# Altium PCB Enigma Rev A.PcbDoc (part 6 of 7)
Units mm, origin at the board's own origin, x right, y up, seen from the top; angles counter-clockwise.
Board outline 239.08 x 138 mm, 6 copper layers (Component Side, Ground Plane (GND), Inner Layer 1, Inner Layer 2, Power Plane (VCC), Solder Side), stack 1.297 mm thick; 563 components, 654 nets, 2409 pads, 1102 vias.
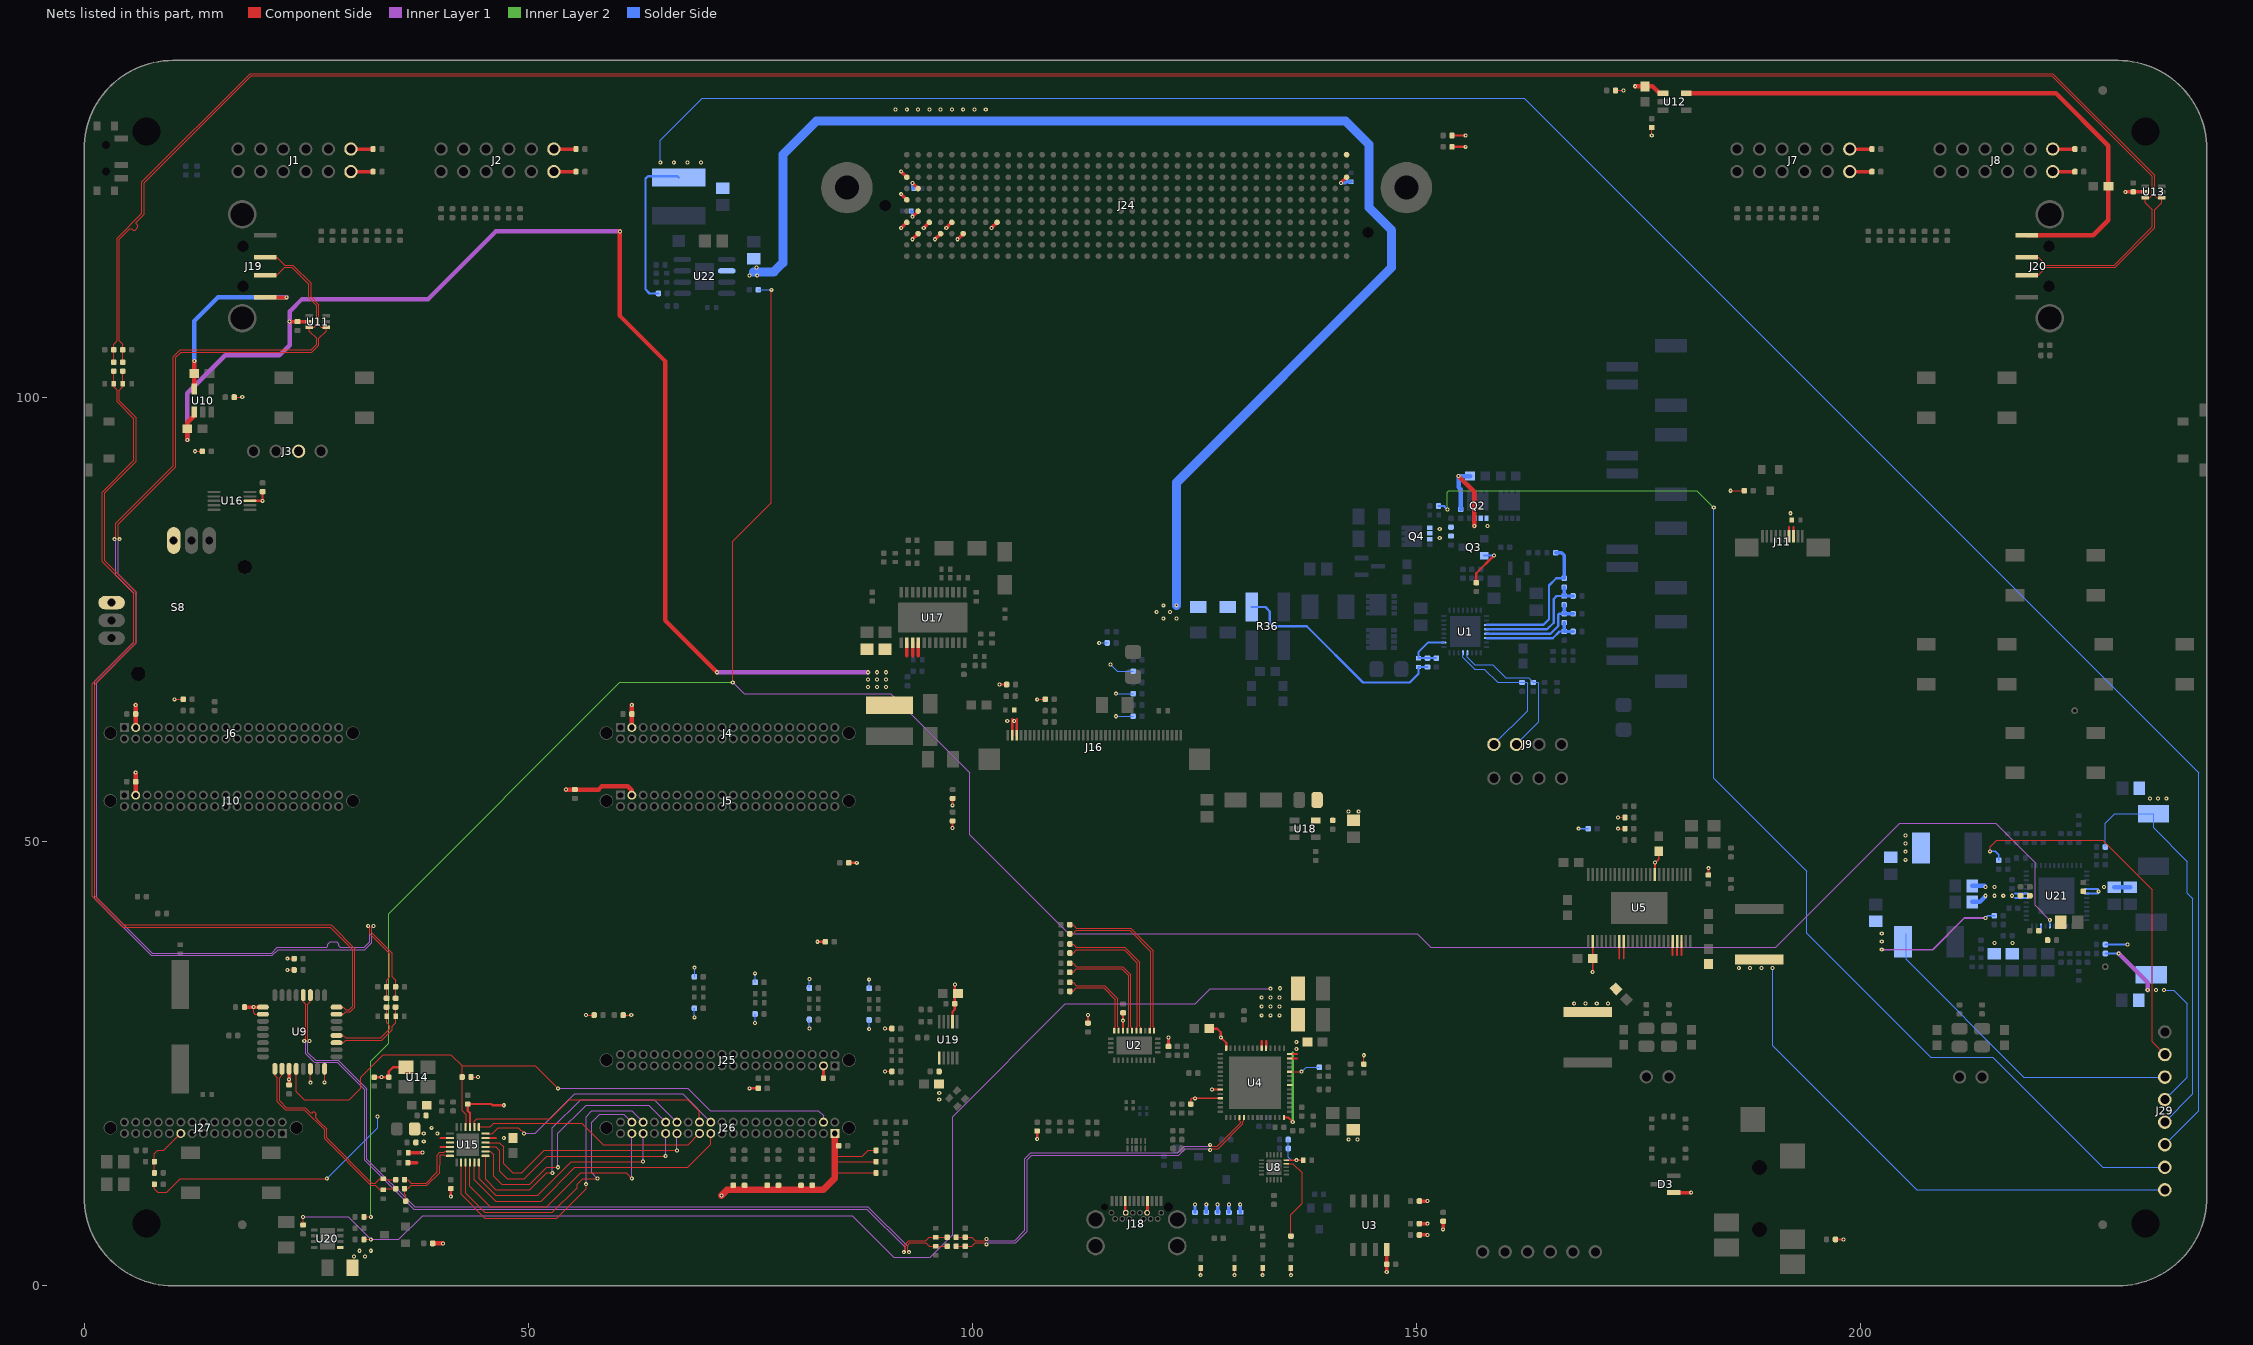
[diagram p10: the nets of this part, all layers, seen from the top]

## Via types
v1: diameter 0.457, hole 0.203, Component Side to Solder Side, tented top, 1032 vias
v2: diameter 0.5, hole 0.2, Component Side to Solder Side, 55 vias
v3: diameter 0.457, hole 0.203, Component Side to Solder Side, 9 vias
v4: diameter 0.5, hole 0.2, Component Side to Solder Side, tented both sides, 6 vias

## Nets (pads, with @x,y where several pads share a name; then routed paths per layer and width w, separated by ;. In a path a pad name is that pad's centre, name@x,y a point inside that pad or via, vN(x,y) a via of type N, cw(c..) or ccw(c..) an arc to the next point about the centre after c; other vN are vias at no path point) (continued)
TS3: J9.3 R40.1 U1.12 | length 17.7
  Solder Side w0.127: U1.12@155.771,71.279 155.771,70.788 156.605,69.954 158.605,69.954 160.106,68.453 162.687,68.453 R40.1@163.195,67.945 163.703,67.945 163.83,67.818 163.83,63.5 J9.3@161.29,60.96
TS4: J9.4 R41.1 U1.13 | length 17.4
  Solder Side w0.127: U1.13@155.271,71.279 155.271,70.788 156.605,69.454 157.655,69.454 159.164,67.945 R41.1@161.925,67.945 162.433,67.945 162.56,67.818 162.56,64.77 J9.4@158.75,60.96
ULPI_CLK: J26.35 U15.12 | length 25.8
  Component Side w0.127: U15.12@44.43,13.875 44.43,12.077 46.347,10.16 51.054,10.16 54.864,13.97 v1(62.931,13.97)
  Inner Layer 1 w0.127: v1(62.931,13.97) J26.35@62.931,17.145
ULPI_D0: J26.29 U15.16 | length 27.1
  Component Side w0.127: U15.16@45.18,16.125 46.74,16.125 47.244,15.621 47.244,13.716 48.26,12.7 49.276,12.7 51.816,15.24 v1(66.741,15.24)
  Inner Layer 1 w0.127: v1(66.741,15.24) J26.29@66.741,17.145
ULPI_D1: J26.31 U15.15 | length 26.7
  Component Side w0.127: U15.15@45.18,15.625 46.351,15.625 46.736,15.24 46.736,12.954 47.625,12.065 49.53,12.065 52.07,14.605 v1(65.471,14.605)
  Inner Layer 1 w0.127: v1(65.471,14.605) J26.31@65.471,17.145
ULPI_D2: J26.32 U15.14 | length 29.9
  Component Side w0.127: U15.14@45.18,15.125 45.708,15.125 46.101,14.732 46.101,12.319 46.99,11.43 50.165,11.43 52.07,13.335 v1(53.34,13.335)
  Inner Layer 1 w0.127: v1(53.34,13.335) 53.34,17.145 56.515,20.32 63.566,20.32 J26.32@65.471,18.415
ULPI_D3: J26.30 U15.13 | length 32.9
  Component Side w0.127: U15.13@45.18,14.625 45.18,11.97 46.355,10.795 50.165,10.795 52.07,12.7 v1(52.705,12.7)
  Inner Layer 1 w0.127: v1(52.705,12.7) 52.705,17.78 55.88,20.955 64.201,20.955 J26.30@66.741,18.415
ULPI_D4: J26.23 U15.11 | length 33.4
  Component Side w0.127: U15.11@43.93,13.875 43.93,11.95 46.355,9.525 51.435,9.525 55.245,13.335 67.945,13.335 70.551,15.941 J26.23@70.551,17.145
ULPI_D5: J26.37 U15.10 | length 28.8
  Component Side w0.127: U15.10@43.43,13.875 43.43,11.18 45.72,8.89 52.07,8.89 55.88,12.7 61.026,12.7 v1(61.661,12.065)
  Inner Layer 1 w0.127: v1(61.661,12.065) J26.37@61.661,17.145
ULPI_D6: J26.38 U15.9 | length 32.9
  Component Side w0.127: U15.9@42.93,13.875 42.93,10.41 45.085,8.255 52.705,8.255 55.499,11.049 55.499,11.43 56.134,12.065 v1(57.785,12.065)
  Inner Layer 1 w0.127: v1(57.785,12.065) 57.15,12.7 57.15,18.415 58.039,19.304 60.772,19.304 J26.38@61.661,18.415
ULPI_D7: J26.36 U15.8 | length 35.5
  Component Side w0.127: U15.8@42.43,13.875 42.43,10.275 45.085,7.62 53.213,7.62 56.515,10.922 v1(56.515,11.43)
  Inner Layer 1 w0.127: v1(56.515,11.43) 56.515,19.05 57.15,19.685 61.661,19.685 J26.36@62.931,18.415
ULPI_DIR: J26.25 U15.19 | length 26.5
  Component Side w0.127: U15.19@44.43,17.875 45.688,17.875 46.101,18.288 56.007,18.288 58.42,15.875 68.011,15.875 J26.25@69.281,17.145
ULPI_NXT: J26.24 U15.18 | length 29.1
  Component Side w0.127: U15.18@45.18,17.125 45.954,17.125 46.609,17.78 48.895,17.78 v1(49.53,17.145)
  Inner Layer 1 w0.127: v1(49.53,17.145) 50.8,17.145 55.245,21.59 67.376,21.59 J26.24@70.551,18.415
ULPI_RST_N: J26.4 R176.1 U9.4 U15.22 | length 75.8
  Component Side w0.127: U9.4@23.857,24.425 23.857,21.863 24.765,20.955 29.845,20.955 31.115,22.225 31.115,23.495 33.655,26.035 41.275,26.035 42.545,24.765 ; R176.1@42.545,23.495 42.545,24.765 ; R176.1@42.549,23.495 42.549,19.681 42.93,19.3 U15.22@42.93,17.875 ; v1(53.34,22.225) 50.8,24.765 42.545,24.765
  Inner Layer 1 w0.127: v1(53.34,22.225) 67.945,22.225 70.485,19.685 82.677,19.685 83.251,19.111 J26.4@83.251,18.415
ULPI_STP: J26.26 U15.20 | length 28.8
  Component Side w0.127: U15.20@43.93,17.875 43.93,18.53 44.196,18.796 52.451,18.796 54.61,20.955 67.945,20.955 69.281,19.619 J26.26@69.281,18.415
USB_2P0_N: R86.2 R94.2 U4.5 | length 43.9
  Component Side w0.127: R86.2@98.18,4.445 99.586,4.445 99.949,4.445 100.33,4.826 101.435,4.826 v1(101.6,4.661) ; v1(126.8,15.285) 126.965,15.45 127.682,15.45 130.477,18.245 130.477,18.464 130.6,18.587 U4.5@130.6,18.95
  Inner Layer 1 w0.127: v1(101.6,4.661) 101.765,4.826 104.88,4.826 104.955,4.9 106.172,6.118 106.172,14.188 106.68,14.696 123.246,14.696 124,15.45 126.635,15.45 v1(126.8,15.285)
  Inner Layer 2 w0.127: v1(101.6,4.661) v1@101.6,4.826
USB_2P0_P: R85.2 R93.2 U4.4 | length 43.3
  Component Side w0.127: R85.2@98.18,5.461 R93.2@99.205,5.461 99.949,5.461 100.33,5.08 101.435,5.08 v1(101.6,5.245) ; v1(126.8,15.869) 126.965,15.704 127.577,15.704 130.223,18.35 130.223,18.463 130.1,18.587 U4.4@130.1,18.95
  Inner Layer 1 w0.127: v1(101.6,5.245) 101.765,5.08 104.775,5.08 105.918,6.223 105.918,14.293 106.575,14.95 123.141,14.95 123.895,15.704 126.635,15.704 v1(126.8,15.869)
USB_3V3: C42.2 C43.2 C52.2 C66.2 D3.1 LED1.1 LED2.1 LED3.1 LED4.1 R43.1 R44.1 R45.1 R47.1 R59.1 R65.1 R66.1 R67.1 R221.2 R223.1 U2.22 U3.8 U4.42 U4.51 U8.10 | length 27
  Component Side w0.127: v1(125.73,1.185) LED3.1@125.73,1.99 ; v1(129.54,1.185) LED2.1@129.54,1.99 ; v1(132.715,1.185) LED1.1@132.715,1.99 ; v1(135.89,1.185) LED4.1@135.89,1.99 ; R221.2@144.1,24.95 v1(144.1,25.95)
  Component Side w0.203: U8.10@135.385,14.135 v1(136.525,14.135) C66.2@137.257,14.135
  Component Side w0.254: v1(107.315,16.51) R223.1@107.315,17.415 ; R67.1@113.03,29.575 v1(113.03,30.48) ; U2.22@116.987,28.701 C42.2@116.987,30.734 ; C52.2@126.7,28.95 127.6,28.95 128,28.55 v1(128,27.95) 128.6,27.35 U4.42@128.6,26.75 ; v1(127.002,22.1) U4.51@127.95,22.1
  Component Side w0.381: R59.1@122.1,26.95 v1(122.1,27.95) ; U3.8@146.677,4.445 146.685,4.437 v1(146.685,1.524) ; R47.1@150.36,5.715 v1(151.265,5.715) ; R45.1@150.36,6.985 v1(151.265,6.985) ; R44.1@150.36,9.525 v1(151.265,9.525) ; v1(153.035,6.35) R43.1@153.035,7.255 ; D3.1@179.015,10.48 v1(180.975,10.48)
  Solder Side w0.127: R66.1@135.6,16.45 R65.1@135.6,15.45 135.6,14.45 135.915,14.135 v1(136.525,14.135)
  other v1: 116.967,29.845
USB_EXT_S1_N: J19.2 R80.2 R90.2 U11.6 | length 143.2
  Component Side w0.127: v1(3.391,84.074) 3.556,84.239 3.556,85.852 10.033,92.329 10.033,104.648 10.795,105.41 25.527,105.41 26.162,106.045 26.162,106.68 25.339,107.503 U11.6@25.339,107.935 25.893,107.935 26.162,108.204 26.162,110.385 25.273,111.274 25.273,112.784 23.368,114.689 22.567,114.689 21.693,113.816 J19.2@20.38,113.816 ; v1(32.55,40.513) 32.385,40.348 32.385,39.751 34.671,37.465 34.671,34.798 35.052,34.417 R90.2@35.052,33.655 R80.2@35.052,32.377
  Inner Layer 1 w0.127: v1(3.391,84.074) 3.556,83.909 3.556,80.01 5.588,77.978 5.588,72.495 1.143,68.05 1.143,43.583 7.515,37.211 21.187,37.211 21.822,37.846 31.601,37.846 32.385,38.63 32.385,40.348 v1(32.55,40.513)
USB_EXT_S1_P: J19.3 R79.2 R89.2 U11.1 | length 143.5
  Component Side w0.127: v1(3.975,84.074) 3.81,84.239 3.81,85.747 10.287,92.224 10.287,104.543 10.9,105.156 25.632,105.156 26.416,105.94 26.416,106.68 27.239,107.503 U11.1@27.239,107.935 26.685,107.935 26.416,108.204 26.416,110.49 25.527,111.379 25.527,112.889 23.473,114.943 22.567,114.943 21.693,115.816 J19.3@20.38,115.816 ; v1(31.966,40.513) 32.131,40.348 32.131,39.646 34.417,37.36 34.417,34.798 34.036,34.417 R89.2@34.036,33.655 R79.2@34.036,32.377
  Inner Layer 1 w0.127: v1(3.975,84.074) 3.81,83.909 3.81,80.115 5.842,78.083 5.842,72.39 1.397,67.945 1.397,43.688 7.62,37.465 21.082,37.465 21.717,38.1 27.305,38.1 27.432,38.227 27.432,38.481 27.686,38.735 28.416,38.735 28.67,38.481 28.67,38.259 28.829,38.1 31.496,38.1 32.131,38.735 32.131,40.348 v1(31.966,40.513)
USB_EXT_S2_N: J20.2 R84.2 R92.2 U13.6 | length 281.2
  Component Side w0.127: R84.2@4.318,104.005 R92.2@4.318,105.41 4.318,106.045 3.937,106.426 3.937,117.878 5.122,119.062 5.329,119.062 5.519,118.872 5.715,118.872 6.032,119.189 6.032,119.385 5.842,119.576 5.842,119.783 6.731,120.672 6.731,124.206 18.796,136.271 221.593,136.271 232.918,124.946 232.918,122.809 232.649,122.54 U13.6@232.095,122.54 232.095,121.981 232.918,121.158 232.918,119.253 228.608,114.943 220.948,114.943 220.075,115.816 J20.2@218.761,115.816
USB_EXT_S2_P: J20.3 R82.2 R91.2 U13.1 | length 281.7
  Component Side w0.127: R82.2@3.302,104.005 R91.2@3.302,105.41 3.302,106.045 3.683,106.426 3.683,117.983 6.477,120.777 6.477,124.311 18.691,136.525 221.698,136.525 233.172,125.051 233.172,122.809 233.441,122.54 U13.1@233.995,122.54 233.995,121.981 233.172,121.158 233.172,119.148 228.713,114.689 220.948,114.689 220.075,113.816 J20.3@218.761,113.816
USB_FLT_N: R74.2 U8.9 | length 9.8
  Component Side w0.127: U8.9@135.385,13.735 136.125,13.735 137.16,12.7 137.16,9.271 135.89,8.001 R74.2@135.89,5.58
USB_HOST_N: R83.1 U15.5 | length 7.9
  Component Side w0.127: R83.1@36.06,11.938 36.423,11.938 36.804,11.557 38.481,11.557 39.751,12.827 39.751,13.589 39.751,14.71 40.043,15.002 40.518,15.002 40.641,15.125 U15.5@41.18,15.125
USB_HOST_P: R78.2 R81.1 U15.6 | length 9.3
  Component Side w0.127: R78.2@36.195,9.525 36.195,10.16 36.06,10.295 R81.1@36.06,10.922 36.423,10.922 36.804,11.303 38.586,11.303 40.005,12.722 40.005,13.589 40.005,14.605 40.148,14.748 40.518,14.748 40.641,14.625 U15.6@41.18,14.625
USB_HST_N: C70.2 R83.2 U9.2 | length 21.9
  Component Side w0.127: U9.2@22.257,24.425 22.257,23.687 21.984,23.414 21.984,20.815 22.733,20.066 24.892,20.066 25.4,19.558 25.454,19.504 ccw(c25.58,19.63) 25.705,19.504 25.711,19.509 cw(c25.836,19.384) 25.962,19.509 26.07,19.402 cw(c25.944,19.276) 26.07,19.15 26.065,19.145 ccw(c26.19,19.019) 26.065,18.893 26.416,18.542 27.305,17.653 27.305,16.637 32.385,11.557 32.784,11.557 33.292,12.065 C70.2@33.655,12.065 33.782,11.938 R83.2@35.06,11.938
USB_HST_P: C71.2 R81.2 U9.1 | length 21.9
  Component Side w0.127: U9.1@21.457,24.425 21.457,23.687 21.73,23.413 21.73,20.71 22.628,19.812 24.787,19.812 27.051,17.548 27.051,16.532 32.28,11.303 32.784,11.303 33.292,10.795 C71.2@33.655,10.795 33.782,10.922 R81.2@35.06,10.922
USB_RST_IN: R61.1 U4.24 | length 3.6
  Component Side w0.127: U4.24@135.75,24.1 v1(137.1,24.1)
  Solder Side w0.127: v1(137.1,24.1) 137.6,24.6 R61.1@139.1,24.6
USB_RST_OUT_N: U4.21
USB_S1_N: C73.2 R80.1 U9.11 | length 9.6
  Component Side w0.127: U9.11@28.407,27.375 29.145,27.375 29.419,27.648 33.49,27.648 34.671,28.829 34.671,29.228 35.052,29.609 35.052,29.972 R80.1@35.052,31.377
USB_S1_P: C72.2 R79.1 U9.12 | length 9.2
  Component Side w0.127: U9.12@28.407,28.175 29.145,28.175 29.418,27.902 33.385,27.902 34.417,28.934 34.417,29.228 34.036,29.609 34.036,29.972 R79.1@34.036,31.377
USB_S2_N: C75.2 R84.1 U9.15 | length 105.7
  Component Side w0.127: R84.1@4.318,103.005 C75.2@4.318,101.6 4.318,101.237 3.937,100.856 3.937,99.673 5.842,97.768 5.842,92.837 2.286,89.281 2.286,81.639 5.842,78.083 5.842,72.39 1.143,67.691 1.143,43.942 4.445,40.64 27.791,40.64 30.48,37.951 30.48,31.378 29.95,30.848 29.419,30.848 29.145,30.575 U9.15@28.407,30.575
USB_S2_P: C74.2 R82.1 U9.16 | length 105.3
  Component Side w0.127: R82.1@3.302,103.005 C74.2@3.302,101.6 3.302,101.237 3.683,100.856 3.683,99.568 5.588,97.663 5.588,92.942 2.032,89.386 2.032,81.534 5.588,77.978 5.588,72.495 0.889,67.796 0.889,43.837 4.34,40.386 27.686,40.386 30.226,37.846 30.226,31.483 29.845,31.102 29.418,31.102 29.145,31.375 U9.16@28.407,31.375
USB_S3_N: C77.2 R86.1 U9.19 | length 94.2
  Component Side w0.127: v1(25.349,27.559) 25.184,27.724 25.184,31.714 25.457,31.987 U9.19@25.457,32.725 ; v1(92.875,3.772) 92.71,3.937 92.71,4.572 92.964,4.826 94.76,4.826 95.141,4.445 R86.1@97.18,4.445
  Inner Layer 1 w0.127: v1(25.349,27.559) 25.184,27.394 25.184,26.251 26.035,25.4 28.575,25.4 31.75,22.225 31.824,22.151 31.824,14.255 37.189,8.89 88.243,8.89 92.71,4.423 92.71,3.937 v1(92.875,3.772)
USB_S3_P: C76.2 R85.1 U9.20 | length 94.7
  Component Side w0.127: U9.20@24.657,32.725 24.657,31.987 24.93,31.714 24.93,27.724 v1(24.765,27.559) ; v1(92.291,3.772) 92.456,3.937 92.456,4.677 92.859,5.08 94.76,5.08 95.141,5.461 R85.1@97.18,5.461
  Inner Layer 1 w0.127: v1(24.765,27.559) 24.93,27.394 24.93,26.146 25.855,25.22 25.93,25.146 28.47,25.146 31.57,22.045 31.57,14.15 37.084,8.636 88.138,8.636 92.456,4.318 92.456,3.937 v1(92.291,3.772)
V1P8: C112.2 C113.2 C114.2 C185.2 J26.1 R1.1 R2.1 R3.1 R6.1 R7.1 R10.1 R12.1 R13.1 R16.1 R68.1 R115.2 R176.2 U14.4 U15.17 U15.21 | length 76
  Component Side w0.127: R68.1@7.89,11.43 7.89,10.906 8.255,10.541 9.271,10.541 10.795,12.065 v1(27.305,12.065) ; R176.2@43.545,23.495 v1(44.319,23.495) ; 84.521,12.7 R1.1@89.17,12.7 ; 84.521,13.97 R7.1@89.17,13.97 ; 84.521,14.605 87.63,14.605 88.265,15.24 R16.1@89.17,15.24
  Component Side w0.254: R115.2@32.647,23.487 v1(33.465,23.487) C112.2@34.282,23.487 34.282,24.122 34.755,24.595 U14.4@36.215,24.595 ; U15.21@43.43,17.875 43.43,19.435 43.18,19.685 C113.2@43.18,20.455 45.839,20.455 45.974,20.32 v1(47.244,20.32) ; U15.17@45.18,16.625 46.343,16.625
  Component Side w0.762: v1(71.755,10.16) 72.39,10.795 83.185,10.795 84.521,12.131 84.521,12.7 84.521,13.97 84.521,14.605 J26.1@84.521,17.145
  Solder Side w0.127: v1(27.305,12.065) 33.02,17.78 v1(33.02,19.05)
  other v1: 47.244,16.637
V2P5: C139.2 C140.2 C141.2 C142.2 C165.2 C184.2 J25.3 J29.7 L12.1 R199.1 R215.1 R216.1 R217.2 R227.1 R228.1 R229.1 R230.1 R231.1 R232.1 R233.1 R234.1 R235.1 R236.1 U19.1 U19.7 | length 60.3
  Component Side w0.127: v1(56.515,30.48) R215.1@57.42,30.48 ; R216.1@60.69,30.48 v1(61.595,30.48) ; v1(90.17,24.13) R236.1@90.948,24.13 ; v1(90.17,28.956) R235.1@90.948,28.956 ; v1(214.63,48.919) 214.63,49.429 215.366,50.165 227.33,50.165 232.895,44.6 232.895,27.455 J29.7@234.315,26.035
  Component Side w0.254: v1(74.93,22.225) R217.2@75.901,22.225 ; U19.7@97.782,29.736 97.782,30.853 98.036,31.107 v1@98.036,33.909
  Component Side w0.381: C184.2@83.251,23.368 J25.3@83.251,24.765
  Solder Side w0.127: v1(68.707,30.226) 68.707,31.226 R228.1@68.723,31.242 ; R227.1@68.723,34.814 v1(68.723,35.814) ; v1(75.549,29.591) R230.1@75.549,30.591 ; R229.1@75.549,34.179 v1(75.549,35.179) ; v1(81.661,28.956) R232.1@81.661,29.956 ; R231.1@81.661,33.544 v1(81.661,34.544) ; v1(88.392,28.918) R234.1@88.392,29.918 ; R233.1@88.392,33.506 v1(88.392,34.506)
  Solder Side w0.203: v1(214.63,48.919) 215.22,48.919 215.62,48.519 R199.1@215.62,47.919
  other v1: 96.282,20.955 96.282,21.717 98.044,33.909 205.129,47.966 205.129,48.883 205.129,49.799 205.129,50.716
V3P3: C1.2 C2.2 C3.2 C4.2 C28.2 C29.2 C30.2 C31.2 C32.2 C57.2 C80.2 C81.2 C100.2 C101.2 C115.2 C116.2 C122.2 C130.2 C131.2 C135.2 C153.2 C180.2 C181.2 J1.6 J1.12 J2.6 J2.12 J3.2 J4.3 J5.3 J7.6 J7.12 J8.6 J8.12 J11.7 J11.8 J16.2 J16.3 J24.C39 J24.D32 J24.D36 J24.D38 J24.D40 J29.5 L8.1 L10.1 R87.1 R88.1 R96.2 R97.2 R98.2 R99.2 R101.1 R102.1 R103.1 R104.2 R105.2 R116.1 R117.1 R154.1 R158.2 R162.2 R163.1 R165.1 R166.1 R175.2 R191.1 R208.1 R209.1 R210.1 R211.1 S8.X+ S8.Y+ U4.53 U5.9 U5.26 U9.3 U9.6 U9.8 U9.25 U9.26 U15.4 U16.8 U18.5 | length 114.7
  Component Side w0.127: v1(12.446,93.98) R96.2@13.285,93.98 ; R97.2@16.875,100.076 v1(17.78,100.076) ; v1(19.066,31.375) 19.05,31.358 19.05,30.734 19.209,30.575 U9.26@20.107,30.575 ; v1(22.86,35.56) R88.1@23.63,35.56 ; v1(22.86,36.83) R87.1@23.63,36.83 ; v1(25.457,22.86) U9.6@25.457,24.425 ; v1(27.057,22.901) U9.8@27.057,24.425 U9.8@27.057,24.466 ; v1(107.315,66.04) R158.2@108.22,66.04 ; R98.2@172.45,134.62 v1(173.355,134.62) ; v1(172.72,51.47) R101.1@173.518,51.47 ; v1(172.72,52.74) R102.1@173.518,52.74 ; v1(176.53,129.54) R99.2@176.53,130.445 ; v1(185.42,89.535) R175.2@186.96,89.535
  Component Side w0.203: C57.2@124.6,20.45 124.6,20.95 124.75,21.1 v1(125.1,21.1) U4.53@127.95,21.1 ; v1(169.883,35.341) C100.2@169.883,36.865 U5.26@169.883,38.77 ; U5.9@176.883,46.32 176.883,47.604 177.32,48.041 C101.2@177.32,48.93 ; R105.2@182.908,46.255 v1(182.908,47.025) ; R103.1@197.215,5.213 v1(198.12,5.213)
  Component Side w0.254: U16.8@18.655,88.4 v1(20.066,88.4) C28.2@20.066,89.424 ; 40.144,15.625 U15.4@41.18,15.625 ; v1(82.55,38.735) R211.1@83.455,38.735 ; R210.1@86.09,47.625 v1(86.995,47.625) ; v1(97.79,51.562) R209.1@97.79,52.34 ; v1(97.79,54.102) R208.1@97.79,54.88 ; v1(103.075,67.705) R154.1@103.875,67.705 ; J16.2@104.5,61.99 104.5,63.805 ; J16.3@105,61.99 105,63.805 ; R117.1@154.035,128.27 v1(155.575,128.27) ; R116.1@154.035,129.54 v1(155.575,129.54) ; J11.7@192,84.39 192,85.447 ; J11.8@192.5,84.39 192.5,85.439
  Component Side w0.381: C80.2@18.026,31.375 v1(19.066,31.375) U9.25@20.107,31.375 ; C81.2@23.057,22.606 v1(23.057,23.241) U9.3@23.057,24.425 ; J1.6@30.02,125.476 C30.2@32.512,125.476 ; J1.12@30.02,128.016 C29.2@32.512,128.016 ; C115.2@36.441,13.843 37.465,13.843 ; C116.2@36.48,14.986 v1@37.877,14.986 ; J2.6@52.88,125.476 C1.2@55.372,125.476 ; J2.12@52.88,128.016 C2.2@55.372,128.016 ; v1(91.996,119.126) J24.D40@92.631,119.761 ; v1(93.266,117.856) J24.C39@93.901,118.491 ; v1(94.536,119.126) J24.D38@95.171,119.761 ; v1(97.076,119.126) J24.D36@97.711,119.761 ; v1(102.156,119.126) J24.D32@102.791,119.761 ; J7.6@198.837,125.476 C32.2@201.329,125.476 ; J7.12@198.837,128.016 C31.2@201.329,128.016 ; J8.6@221.697,125.476 C3.2@224.189,125.476 ; J8.12@221.697,128.016 C4.2@224.189,128.016
  Component Side w0.508: v1(54.229,55.88) C181.2@55.245,55.88 57.912,55.88 58.293,56.261 61.214,56.261 61.661,55.814 J5.3@61.661,55.245 ; J4.3@61.661,62.865 C180.2@61.661,64.389 v1(61.661,65.405)
  Inner Layer 1 w0.508: v1(229.12,37.419) 232.398,34.141 v1(232.398,33.298)
  Solder Side w0.127: v1(114.3,72.39) R166.1@115.205,72.39 ; v1(115.57,69.977) 116.332,69.215 R165.1@118.126,69.215 ; v1(116.205,64.135) R162.2@118.126,64.135 ; v1(116.205,66.675) R163.1@118.126,66.675 ; v1(234.231,33.298) 235.307,33.298 236.855,31.75 236.855,23.495 J29.5@234.315,20.955
  Solder Side w0.203: v1(168.303,51.47) R104.2@169.383,51.47 ; R191.1@227.62,37.419 v1(229.12,37.419)
  other v1: 38.1,14.986 233.314,33.298 176.883,47.66 142.38,53.394 143.523,53.394 103.945,63.61 104.725,63.61 192.143,86.995 91.361,132.461 92.631,132.461 93.901,132.461 95.171,132.461 96.441,132.461 97.711,132.461 98.981,132.461 100.251,132.461 101.521,132.461
V5P0: C50.2 C82.2 C84.2 C85.2 C87.2 C108.2 C109.2 C110.2 C111.2 C120.2 C121.2 C147.2 J29.4 L7.1 L9.1 R76.2 R113.2 R187.1 U4.14 U4.27 U4.28 U10.1 U11.5 U12.1 U13.5 U15.2 U15.3 U17.2 U17.3 U17.4 | length 210.8
  Component Side w0.254: 40.144,16.625 U15.2@41.18,16.625 ; v1(41.275,10.033) R113.2@41.275,10.938 ; U4.14@135.1,18.95 135.6,18.95 v1(136.1,18.45) ; U4.27@135.75,25.6 136.55,25.6 ; U4.28@135.75,26.1 136.55,26.1
  Component Side w0.381: v1(23.114,108.585) C84.2@24.003,108.585 U11.5@25.339,108.585 ; 92.635,70.948 U17.2@92.635,72.405 ; 93.285,70.948 U17.3@93.285,72.405 ; 93.935,70.948 U17.4@93.935,72.405 ; v1(229.87,123.19) C87.2@230.759,123.19 U13.5@232.095,123.19
  Component Side w0.508: v1(11.596,95.25) C82.2@11.596,96.52 11.596,97.194 12.385,97.983 U10.1@12.385,98.385 ; R76.2@39.227,4.765 v1(40.386,4.765) ; v1(60.325,118.745) 60.325,109.22 65.405,104.14 65.405,74.93 v1(71.247,69.088) ; v1(174.665,135.089) 175.768,135.089 175.935,135.089 176.609,135.089 177.398,134.3 U12.1@177.8,134.3
  Inner Layer 1 w0.508: v1(11.596,95.25) 11.596,100.496 15.875,104.775 21.971,104.775 23.114,105.918 v1(23.114,108.585) 23.114,109.728 24.511,111.125 38.735,111.125 46.355,118.745 v1(60.325,118.745) ; v1(71.247,69.088) v1(88.265,69.088)
  Inner Layer 2 w0.254: v1(136.1,18.45) 136.1,26.25
  Solder Side w0.127: R187.1@227.62,49.419 227.62,52.106 228.658,53.144 L9.1@233.045,53.144 233.045,51.562 236.855,47.752 236.855,44.215 237.49,43.58 237.49,21.59 J29.4@234.315,18.415